# Altium PCB JTAG-批量下载V06.PcbDoc (part 11 of 13) (continued)
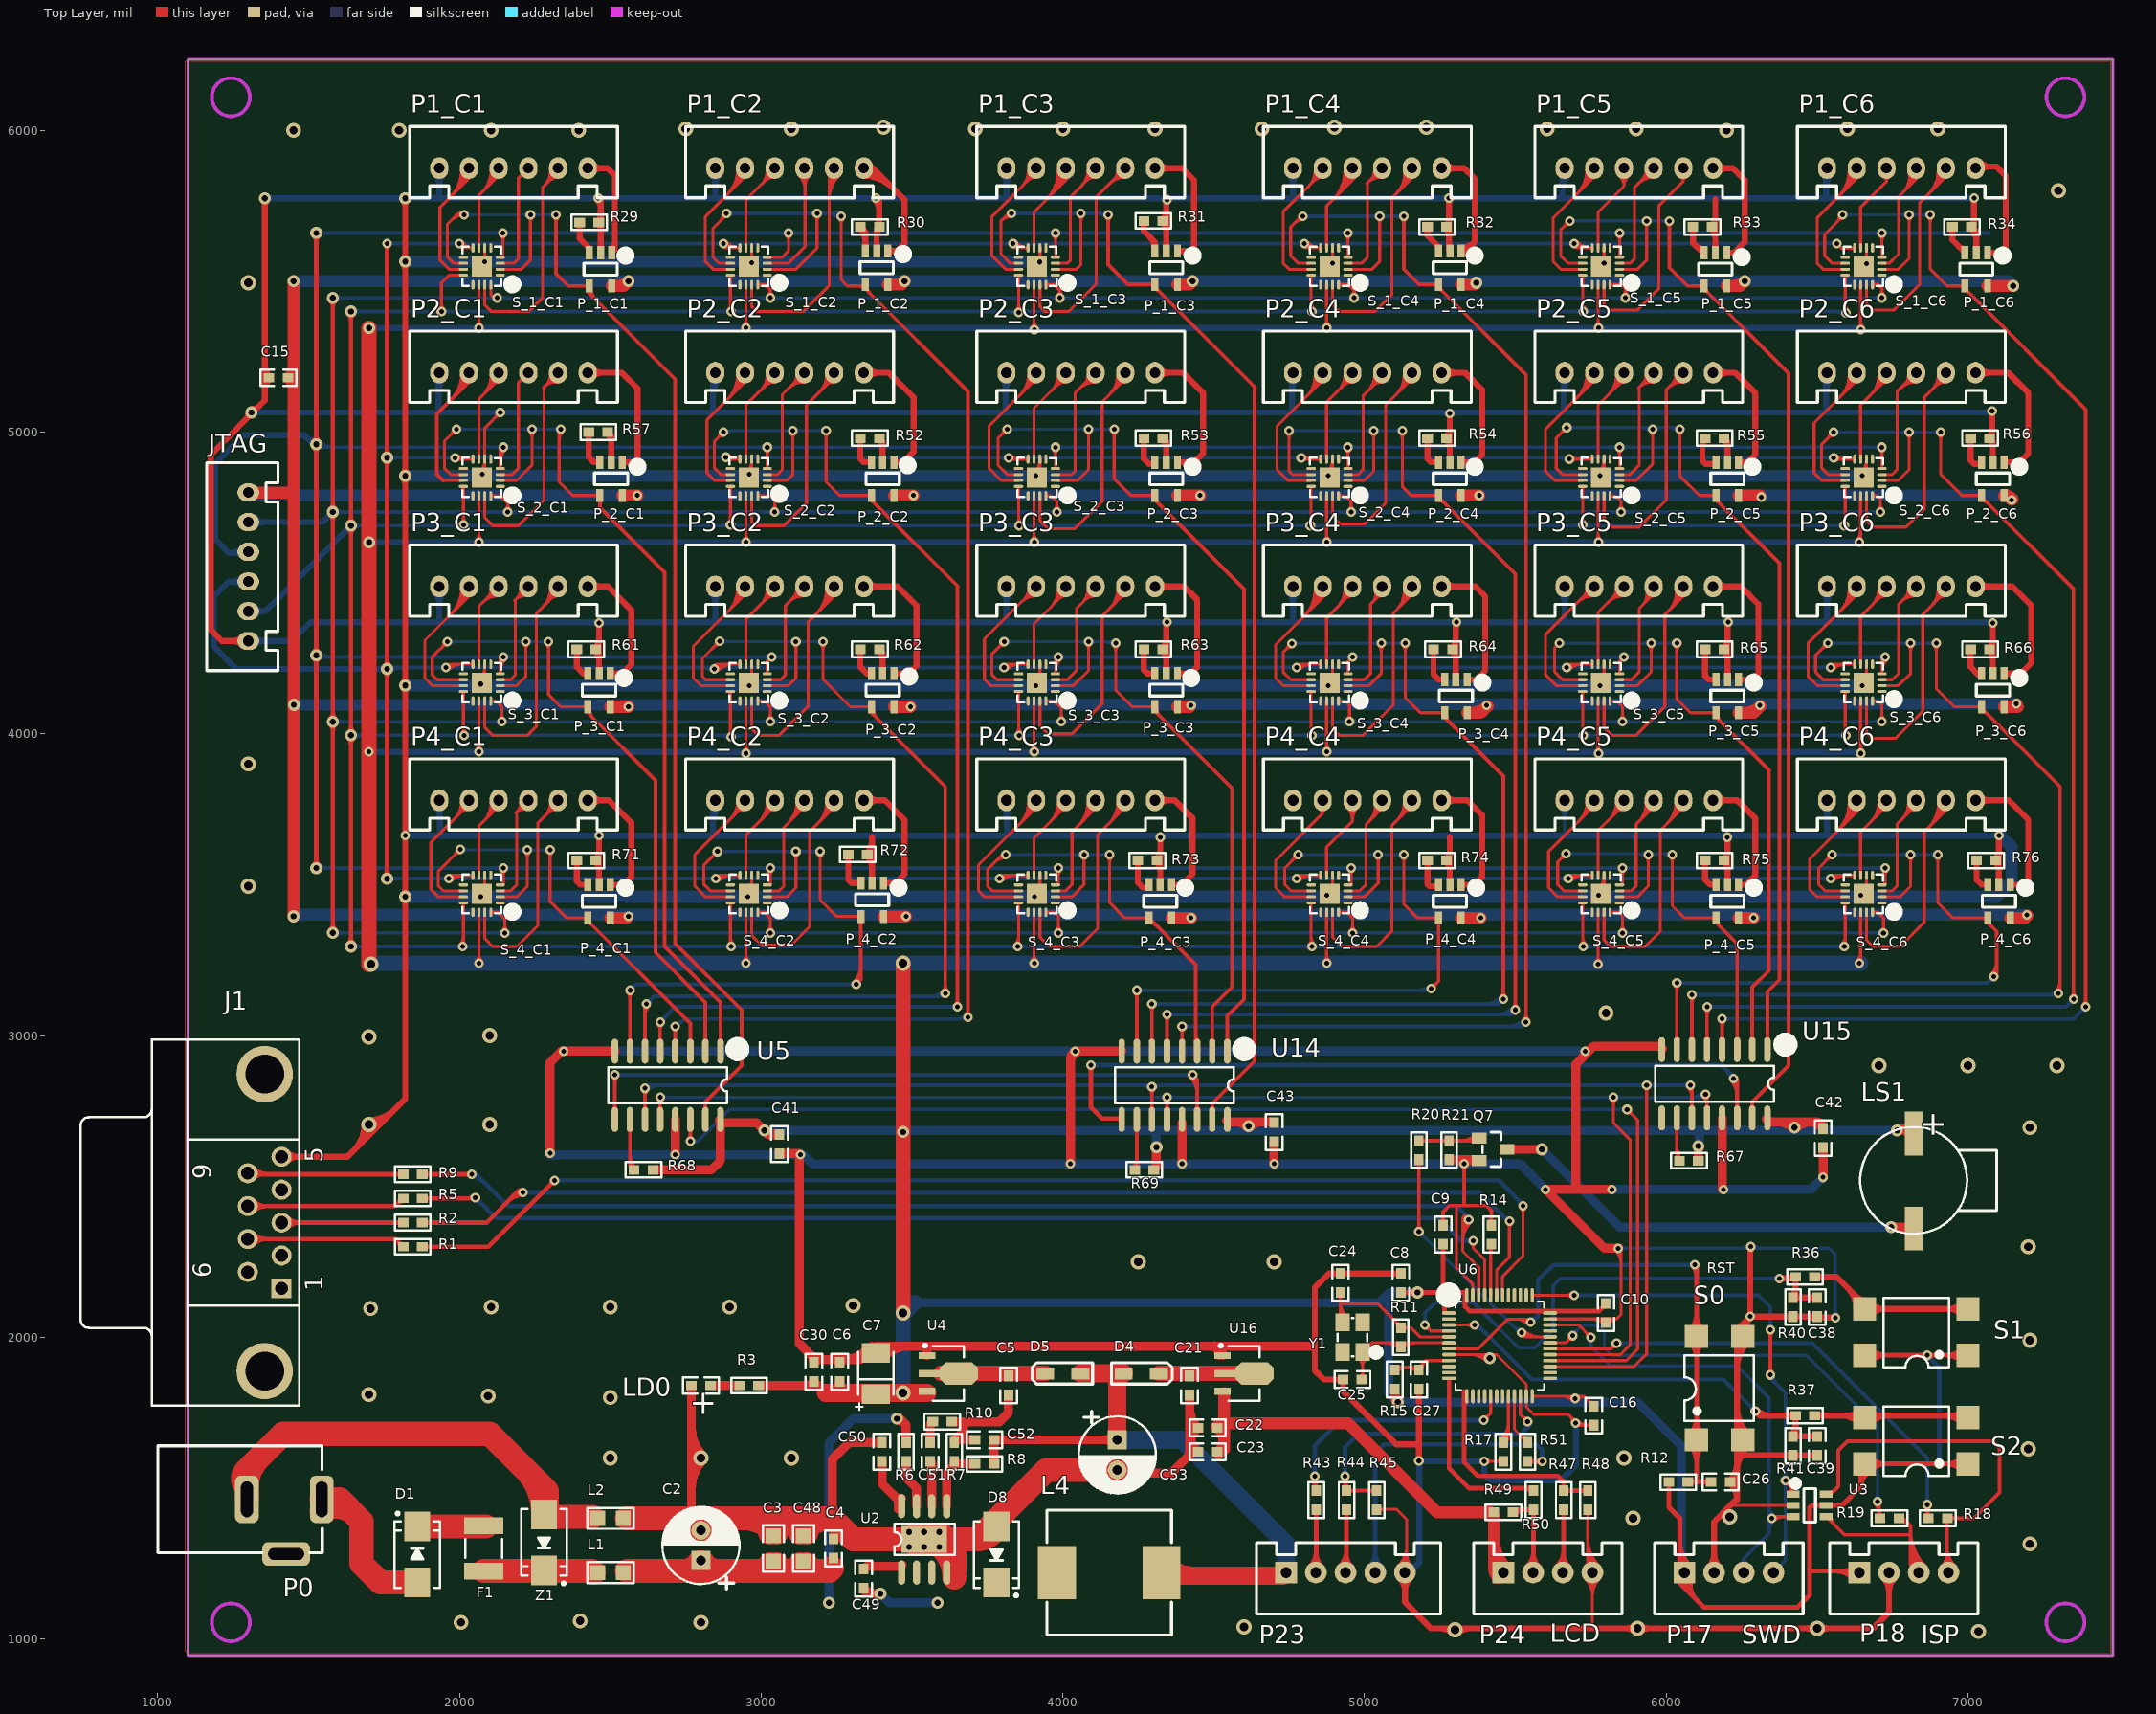
[diagram p0: Top Layer view]
## Nets (pads, with @x,y where several pads share a name; then routed paths per layer and width w, separated by ;. In a path a pad name is that pad's centre, name@x,y a point inside that pad or via, vN(x,y) a via of type N, cw(c..) or ccw(c..) an arc to the next point about the centre after c; other vN are vias at no path point) (continued)
NetR69_2: R69.2 U14.10 | length 316.3
  Top Layer w12: R69.2@4238.5,2555 4245,2561.5 U14.10@4245,2721.81 ; R69.2@4233.58,2561.89 ccw(c4206.01,2589.46) 4245,2589.46 ; R69.2@4233.58,2561.89 ccw(c4206.01,2589.46) 4245,2589.46 ; R69.2@4233.58,2561.89 ccw(c4206.01,2589.46) 4245,2589.46 ; U14.10@4241.59,2687.89 cw(c4233.35,2679.65) 4245,2679.65 ; U14.10@4241.59,2687.89 cw(c4233.35,2679.65) 4245,2679.65 ; U14.10@4241.59,2687.89 cw(c4233.35,2679.65) 4245,2679.65 ; 4245,2679.65 cw(c4256.65,2679.65) U14.10@4248.41,2687.89 ; 4245,2679.65 cw(c4256.65,2679.65) U14.10@4248.41,2687.89 ; 4245,2679.65 cw(c4256.65,2679.65) U14.10@4248.41,2687.89
NRST: C26.1 R12.1 S0.1 S0.2 U6.7 | length 3652.7
  Top Layer w10: U6.7@5280,1961.89 5376.89,1961.89 5475,2060 5540,2060 v1(5550,2050) ; 5499.3,2060 cw(c5499.3,1999.3) v1@5542.22,2042.22 ; 5523.44,2060 cw(c5523.44,2023.44) v1@5549.29,2049.29
  Top Layer w16: R12.1@6071.5,1520 C26.1@6148.5,1520 ; v1(6095,2240) 6100,2235 6100,1520 ; R12.1@6078.94,1514.52 cw(c6092.17,1501.29) 6092.17,1520 ; R12.1@6078.94,1514.52 cw(c6092.17,1501.29) 6092.17,1520 ; R12.1@6078.94,1514.52 cw(c6092.17,1501.29) 6092.17,1520 ; R12.1@6078.94,1525.48 ccw(c6092.17,1538.71) 6092.17,1520 ; R12.1@6078.94,1525.48 ccw(c6092.17,1538.71) 6092.17,1520 ; R12.1@6078.94,1525.48 ccw(c6092.17,1538.71) 6092.17,1520 ; S0.1@6079.21,1639.21 cw(c6029.02,1589.02) 6100,1589.02 ; S0.1@6079.21,1639.21 cw(c6029.02,1589.02) 6100,1589.02 ; S0.1@6079.21,1639.21 cw(c6029.02,1589.02) 6100,1589.02 ; S0.1@6079.21,1680.79 ccw(c6029.02,1730.98) 6100,1730.98 ; S0.1@6079.21,1680.79 ccw(c6029.02,1730.98) 6100,1730.98 ; S0.1@6079.21,1680.79 ccw(c6029.02,1730.98) 6100,1730.98 ; S0.2@6079.21,1981.73 cw(c6029.02,1931.54) 6100,1931.54 ; S0.2@6079.21,1981.73 cw(c6029.02,1931.54) 6100,1931.54 ; S0.2@6079.21,1981.73 cw(c6029.02,1931.54) 6100,1931.54 ; S0.2@6079.21,2023.31 ccw(c6029.02,2073.5) 6100,2073.5 ; S0.2@6079.21,2023.31 ccw(c6029.02,2073.5) 6100,2073.5 ; S0.2@6079.21,2023.31 ccw(c6029.02,2073.5) 6100,2073.5 ; v1@6089.34,2234.34 cw(c6063.62,2208.62) 6100,2208.62 ; v1@6089.34,2234.34 cw(c6063.62,2208.62) 6100,2208.62 ; v1@6089.34,2234.34 cw(c6063.62,2208.62) 6100,2208.62 ; 6100,1589.02 cw(c6170.98,1589.02) S0.1@6120.79,1639.21 ; 6100,1589.02 cw(c6170.98,1589.02) S0.1@6120.79,1639.21 ; 6100,1589.02 cw(c6170.98,1589.02) S0.1@6120.79,1639.21 ; 6100,1730.98 ccw(c6170.98,1730.98) S0.1@6120.79,1680.79 ; 6100,1730.98 ccw(c6170.98,1730.98) S0.1@6120.79,1680.79 ; 6100,1730.98 ccw(c6170.98,1730.98) S0.1@6120.79,1680.79 ; 6100,1931.54 cw(c6170.98,1931.54) S0.2@6120.79,1981.73 ; 6100,1931.54 cw(c6170.98,1931.54) S0.2@6120.79,1981.73 ; 6100,1931.54 cw(c6170.98,1931.54) S0.2@6120.79,1981.73 ; 6100,2073.5 ccw(c6170.98,2073.5) S0.2@6120.79,2023.31 ; 6100,2073.5 ccw(c6170.98,2073.5) S0.2@6120.79,2023.31 ; 6100,2073.5 ccw(c6170.98,2073.5) S0.2@6120.79,2023.31 ; 6127.83,1520 ccw(c6127.83,1538.71) C26.1@6141.06,1525.48 ; 6127.83,1520 cw(c6127.83,1501.29) C26.1@6141.06,1514.52 ; 6127.83,1520 ccw(c6127.83,1538.71) C26.1@6141.06,1525.48 ; 6127.83,1520 cw(c6127.83,1501.29) C26.1@6141.06,1514.52 ; 6127.83,1520 ccw(c6127.83,1538.71) C26.1@6141.06,1525.48 ; 6127.83,1520 cw(c6127.83,1501.29) C26.1@6141.06,1514.52
  Bottom Layer w15: v1(5550,2050) 5555,2050 5575,2070 5575,2190 5625,2240 v1@6090,2240 ; v1@5550,2058.5 ccw(c5550,2091.09) 5573.05,2068.05 ; v1@5550,2058.5 ccw(c5550,2091.09) 5573.05,2068.05 ; v1@5550,2058.5 ccw(c5550,2091.09) 5573.05,2068.05 ; 6074.48,2240 ccw(c6074.48,2260.52) v1@6088.99,2246.01 ; 6074.48,2240 cw(c6074.48,2219.48) v1@6088.99,2233.99 ; 6074.48,2240 ccw(c6074.48,2260.52) v1@6088.99,2246.01 ; 6074.48,2240 cw(c6074.48,2219.48) v1@6088.99,2233.99 ; 6074.48,2240 ccw(c6074.48,2260.52) v1@6088.99,2246.01 ; 6074.48,2240 cw(c6074.48,2219.48) v1@6088.99,2233.99
OSC_IN: C24.1 R11.1 U6.5 Y1.3 | length 1184.9
  Top Layer w10: 4920,2110 5045,2110 R11.1@5121.75,2033.25 ; C24.1@4920,2148.5 4920,2055.75 Y1.3@4926.54,2049.21 ; R11.1@5123.5,2031.5 5153.5,2031.5 5183.74,2001.26 U6.5@5280,2001.26 ; C24.1@4912.4,2138.94 cw(c4894.05,2120.59) 4920,2120.59 ; C24.1@4912.4,2138.94 cw(c4894.05,2120.59) 4920,2120.59 ; C24.1@4912.4,2138.94 cw(c4894.05,2120.59) 4920,2120.59 ; Y1.3@4913.37,2068.29 ccw(c4897.36,2084.3) 4920,2084.3 ; Y1.3@4913.37,2068.29 ccw(c4897.36,2084.3) 4920,2084.3 ; Y1.3@4913.37,2068.29 ccw(c4897.36,2084.3) 4920,2084.3 ; 4920,2091.71 ccw(c4963.13,2091.71) Y1.3@4932.63,2061.21 ; 4920,2091.71 ccw(c4963.13,2091.71) Y1.3@4932.63,2061.21 ; 4920,2091.71 ccw(c4963.13,2091.71) Y1.3@4932.63,2061.21 ; 4920,2115.85 ccw(c4987.27,2115.85) Y1.3@4939.7,2068.29 ; 4920,2115.85 ccw(c4987.27,2115.85) Y1.3@4939.7,2068.29 ; 4920,2115.85 ccw(c4987.27,2115.85) Y1.3@4939.7,2068.29 ; 4920,2120.59 cw(c4945.95,2120.59) C24.1@4927.6,2138.94 ; 4920,2120.59 cw(c4945.95,2120.59) C24.1@4927.6,2138.94 ; 4920,2120.59 cw(c4945.95,2120.59) C24.1@4927.6,2138.94 ; 5100.57,2054.43 cw(c5079.6,2033.46) R11.1@5109.25,2033.46 ; 5100.57,2054.43 cw(c5079.6,2033.46) R11.1@5109.25,2033.46 ; 5100.57,2054.43 cw(c5079.6,2033.46) R11.1@5109.25,2033.46 ; 5104.27,2050.73 ccw(c5120,2066.45) R11.1@5120,2044.21 ; 5104.27,2050.73 ccw(c5120,2066.45) R11.1@5120,2044.21 ; 5104.27,2050.73 ccw(c5120,2066.45) R11.1@5120,2044.21 ; R11.1@5127.6,2023.9 cw(c5145.95,2005.55) 5145.95,2031.5 ; R11.1@5127.6,2023.9 cw(c5145.95,2005.55) 5145.95,2031.5 ; R11.1@5127.6,2023.9 cw(c5145.95,2005.55) 5145.95,2031.5 ; R11.1@5127.6,2039.1 ccw(c5145.95,2057.44) 5145.95,2031.5 ; R11.1@5127.6,2039.1 ccw(c5145.95,2057.44) 5145.95,2031.5 ; R11.1@5127.6,2039.1 ccw(c5145.95,2057.44) 5145.95,2031.5
OSC_OUT: C25.1 R11.2 U6.6 Y1.1 | length 1207
  Top Layer w10: C25.1@4991.5,1860 4993.46,1861.97 Y1.1@4993.46,1950.79 5024.25,1981.57 ; R11.2@5120.53,1969.94 cw(c5148.61,1941.86) 5148.61,1981.57 ; R11.2@5127.6,1962.87 cw(c5172.75,1917.72) 5172.75,1981.57 ; U6.6@5280,1981.57 5024.25,1981.57 ; Y1.1@4980.3,1931.71 cw(c4948.51,1899.92) 4993.46,1899.92 ; Y1.1@4980.3,1931.71 cw(c4948.51,1899.92) 4993.46,1899.92 ; Y1.1@4980.3,1931.71 cw(c4948.51,1899.92) 4993.46,1899.92 ; C25.1@4985.86,1867.6 ccw(c4967.52,1885.95) 4993.46,1885.95 ; C25.1@4985.86,1867.6 ccw(c4967.52,1885.95) 4993.46,1885.95 ; C25.1@4985.86,1867.6 ccw(c4967.52,1885.95) 4993.46,1885.95 ; 4993.46,1885.95 ccw(c5019.41,1885.95) C25.1@5001.06,1867.6 ; 4993.46,1885.95 ccw(c5019.41,1885.95) C25.1@5001.06,1867.6 ; 4993.46,1885.95 ccw(c5019.41,1885.95) C25.1@5001.06,1867.6 ; 4993.46,1899.92 cw(c5038.42,1899.92) Y1.1@5006.63,1931.71 ; 4993.46,1899.92 cw(c5038.42,1899.92) Y1.1@5006.63,1931.71 ; 4993.46,1899.92 cw(c5038.42,1899.92) Y1.1@5006.63,1931.71 ; Y1.1@4998.33,1974.67 ccw(c5005.33,2000.49) 5024.25,1981.57 ; Y1.1@4998.33,1974.67 ccw(c5005.33,2000.49) 5024.25,1981.57 ; Y1.1@4998.33,1974.67 ccw(c5005.33,2000.49) 5024.25,1981.57 ; Y1.1@5012.09,1956.69 cw(c5042.79,1956.69) 5021.08,1978.4 ; Y1.1@5012.09,1956.69 cw(c5042.79,1956.69) 5021.08,1978.4 ; Y1.1@5012.09,1956.69 cw(c5042.79,1956.69) 5021.08,1978.4 ; 5067.25,1981.57 cw(c5067.25,1917.72) R11.2@5112.4,1962.87 ; 5067.25,1981.57 cw(c5067.25,1917.72) R11.2@5112.4,1962.87 ; 5067.25,1981.57 cw(c5067.25,1917.72) R11.2@5112.4,1962.87 ; 5091.39,1981.57 cw(c5091.39,1941.86) R11.2@5119.47,1969.94 ; 5091.39,1981.57 cw(c5091.39,1941.86) R11.2@5119.47,1969.94 ; 5091.39,1981.57 cw(c5091.39,1941.86) R11.2@5119.47,1969.94
PRT_DTR: R43.2 U6.17 | length 1331.4
  Top Layer w10: v1(5395,1725) 5417.8,1747.8 U6.17@5417.8,1804.41 ; v1@5395,1736 ccw(c5395,1762.56) 5413.78,1743.78 ; v1@5395,1736 ccw(c5395,1762.56) 5413.78,1743.78 ; v1@5395,1736 ccw(c5395,1762.56) 5413.78,1743.78 ; v1@5406,1725 cw(c5432.56,1725) 5413.78,1743.78 ; v1@5406,1725 cw(c5432.56,1725) 5413.78,1743.78 ; v1@5406,1725 cw(c5432.56,1725) 5413.78,1743.78
  Top Layer w15: R43.2@4835,1495 v1(4835,1540) ; v1@4828.99,1533.99 cw(c4814.48,1519.48) 4835,1519.48 ; v1@4828.99,1533.99 cw(c4814.48,1519.48) 4835,1519.48 ; v1@4828.99,1533.99 cw(c4814.48,1519.48) 4835,1519.48 ; 4835,1519.48 cw(c4855.52,1519.48) v1@4841.01,1533.99 ; 4835,1519.48 cw(c4855.52,1519.48) v1@4841.01,1533.99 ; 4835,1519.48 cw(c4855.52,1519.48) v1@4841.01,1533.99 ; v1@4835,1525.45 ccw(c4871.98,1525.45) R43.2@4845.83,1499.3 ; v1@4835,1525.45 ccw(c4871.98,1525.45) R43.2@4845.83,1499.3 ; v1@4835,1525.45 ccw(c4871.98,1525.45) R43.2@4845.83,1499.3
  Bottom Layer w15: v1(4835,1540) 4835,1640 4920,1725 v1(5395,1725) ; v1@4828.99,1546.01 ccw(c4814.48,1560.52) 4835,1560.52 ; v1@4828.99,1546.01 ccw(c4814.48,1560.52) 4835,1560.52 ; v1@4828.99,1546.01 ccw(c4814.48,1560.52) 4835,1560.52 ; 4835,1560.52 ccw(c4855.52,1560.52) v1@4841.01,1546.01 ; 4835,1560.52 ccw(c4855.52,1560.52) v1@4841.01,1546.01 ; 4835,1560.52 ccw(c4855.52,1560.52) v1@4841.01,1546.01 ; 5374.48,1725 ccw(c5374.48,1745.52) v1@5388.99,1731.01 ; 5374.48,1725 cw(c5374.48,1704.48) v1@5388.99,1718.99 ; 5374.48,1725 ccw(c5374.48,1745.52) v1@5388.99,1731.01 ; 5374.48,1725 cw(c5374.48,1704.48) v1@5388.99,1718.99 ; 5374.48,1725 ccw(c5374.48,1745.52) v1@5388.99,1731.01 ; 5374.48,1725 cw(c5374.48,1704.48) v1@5388.99,1718.99
PRT_RXD: P23.4 R51.1 | length 1558.4
  Top Layer w15: R51.1@5540,1588.5 v1(5588.5,1588.5) ; R51.1@5545.83,1582.67 cw(c5559.91,1568.59) 5559.91,1588.5 ; R51.1@5545.83,1582.67 cw(c5559.91,1568.59) 5559.91,1588.5 ; R51.1@5545.83,1582.67 cw(c5559.91,1568.59) 5559.91,1588.5 ; R51.1@5545.83,1594.34 ccw(c5559.91,1608.42) 5559.91,1588.5 ; R51.1@5545.83,1594.34 ccw(c5559.91,1608.42) 5559.91,1588.5 ; R51.1@5545.83,1594.34 ccw(c5559.91,1608.42) 5559.91,1588.5 ; 5567.98,1588.5 ccw(c5567.98,1609.02) v1@5582.49,1594.51 ; 5567.98,1588.5 cw(c5567.98,1567.98) v1@5582.49,1582.49 ; 5567.98,1588.5 ccw(c5567.98,1609.02) v1@5582.49,1594.51 ; 5567.98,1588.5 cw(c5567.98,1567.98) v1@5582.49,1582.49 ; 5567.98,1588.5 ccw(c5567.98,1609.02) v1@5582.49,1594.51 ; 5567.98,1588.5 cw(c5567.98,1567.98) v1@5582.49,1582.49
  Bottom Layer w15: P23.4@5035.28,1220 5035.28,1615.28 5065,1645 5570,1645 5588.5,1626.5 v1(5588.5,1588.5) ; 5035.28,1288.81 ccw(c5104.08,1288.81) 5055.43,1240.15 cw(c5104.08,1288.81) 5035.28,1288.81 ; 5035.28,1288.81 cw(c4966.47,1288.81) 5015.12,1240.15 ccw(c4966.47,1288.81) 5035.28,1288.81 ; v1@5582.49,1594.51 ccw(c5567.98,1609.02) 5588.5,1609.02 ; v1@5582.49,1594.51 ccw(c5567.98,1609.02) 5588.5,1609.02 ; v1@5582.49,1594.51 ccw(c5567.98,1609.02) 5588.5,1609.02 ; 5588.5,1609.02 ccw(c5609.02,1609.02) v1@5594.51,1594.51 ; 5588.5,1609.02 ccw(c5609.02,1609.02) v1@5594.51,1594.51 ; 5588.5,1609.02 ccw(c5609.02,1609.02) v1@5594.51,1594.51
PRT_TXD: P23.3 R44.1 | length 730
  Top Layer w15: P23.3@4936.85,1220 4940,1223.15 R44.1@4940,1428.5 ; P23.3@4916.7,1240.15 ccw(c4860.44,1296.41) 4940,1296.41 ; P23.3@4916.7,1240.15 ccw(c4860.44,1296.41) 4940,1296.41 ; P23.3@4916.7,1240.15 ccw(c4860.44,1296.41) 4940,1296.41 ; P23.3@4927.3,1229.55 ccw(c4896.65,1260.2) 4940,1260.2 ; P23.3@4927.3,1229.55 ccw(c4896.65,1260.2) 4940,1260.2 ; P23.3@4927.3,1229.55 ccw(c4896.65,1260.2) 4940,1260.2 ; R44.1@4934.17,1420.7 cw(c4920.09,1406.62) 4940,1406.62 ; R44.1@4934.17,1420.7 cw(c4920.09,1406.62) 4940,1406.62 ; R44.1@4934.17,1420.7 cw(c4920.09,1406.62) 4940,1406.62 ; 4940,1281.2 ccw(c4998.05,1281.2) P23.3@4957,1240.15 ; 4940,1281.2 ccw(c4998.05,1281.2) P23.3@4957,1240.15 ; 4940,1281.2 ccw(c4998.05,1281.2) P23.3@4957,1240.15 ; 4940,1406.62 cw(c4959.91,1406.62) R44.1@4945.83,1420.7 ; 4940,1406.62 cw(c4959.91,1406.62) R44.1@4945.83,1420.7 ; 4940,1406.62 cw(c4959.91,1406.62) R44.1@4945.83,1420.7
PW_1_C1: P1_C1.1 P_1_C1.1 | length 617.3
  Top Layer w20: P1_C1.1@2425,5875 2490,5875 2515,5850 2515,5605 P_1_C1.1@2505,5595 ; P_1_C1.1@2503.72,5606.12 ccw(c2476.49,5633.36) 2515,5633.36 ; P1_C1.1@2439.14,5860.86 cw(c2473.28,5826.72) 2473.28,5875 ; P1_C1.1@2439.14,5860.86 cw(c2473.28,5826.72) 2473.28,5875 ; P1_C1.1@2439.14,5860.86 cw(c2473.28,5826.72) 2473.28,5875 ; P1_C1.1@2439.14,5889.14 ccw(c2473.28,5923.28) 2473.28,5875 ; P1_C1.1@2439.14,5889.14 ccw(c2473.28,5923.28) 2473.28,5875 ; P1_C1.1@2439.14,5889.14 ccw(c2473.28,5923.28) 2473.28,5875
PW_1_C2: P1_C2.1 P_1_C2.1 | length 912.2
  Top Layer w20: P1_C2.1@3340,5875 3370,5875 3475,5770 3475,5625 3450,5600 P_1_C2.1@3420,5600 ; P1_C2.1@3340,5849 cw(c3340,5713.8) 3435.6,5809.4 ; P1_C2.1@3340,5849 cw(c3340,5713.8) 3435.6,5809.4 ; P1_C2.1@3340,5849 cw(c3340,5713.8) 3435.6,5809.4 ; P1_C2.1@3340,5869 cw(c3340,5782.09) 3401.46,5843.54 ; P1_C2.1@3340,5869 cw(c3340,5782.09) 3401.46,5843.54 ; P1_C2.1@3340,5869 cw(c3340,5782.09) 3401.46,5843.54
PW_1_C3: P1_C3.1 P_1_C3.1 | length 661.2
  Top Layer w20: P1_C3.1@4305,5875 4395,5875 4435,5835 4435,5605 4430,5600 P_1_C3.1@4380,5600 ; P1_C3.1@4319.14,5860.86 cw(c4353.28,5826.72) 4353.28,5875 ; P1_C3.1@4319.14,5860.86 cw(c4353.28,5826.72) 4353.28,5875 ; P1_C3.1@4319.14,5860.86 cw(c4353.28,5826.72) 4353.28,5875 ; P1_C3.1@4319.14,5889.14 ccw(c4353.28,5923.28) 4353.28,5875 ; P1_C3.1@4319.14,5889.14 ccw(c4353.28,5923.28) 4353.28,5875 ; P1_C3.1@4319.14,5889.14 ccw(c4353.28,5923.28) 4353.28,5875
PW_1_C4: P1_C4.1 P_1_C4.1 | length 807.6
  Top Layer w20: P1_C4.1@5255,5875 5330,5875 5365,5840 5365,5630 ; P_1_C4.1@5320,5600 5335,5600 5365,5630 ; P1_C4.1@5269.14,5860.86 cw(c5303.28,5826.72) 5303.28,5875 ; P1_C4.1@5269.14,5860.86 cw(c5303.28,5826.72) 5303.28,5875 ; P1_C4.1@5269.14,5860.86 cw(c5303.28,5826.72) 5303.28,5875 ; P1_C4.1@5269.14,5889.14 ccw(c5303.28,5923.28) 5303.28,5875 ; P1_C4.1@5269.14,5889.14 ccw(c5303.28,5923.28) 5303.28,5875 ; P1_C4.1@5269.14,5889.14 ccw(c5303.28,5923.28) 5303.28,5875 ; P_1_C4.1@5319.8,5591.65 ccw(c5319.98,5607.77) P_1_C4.1@5331.37,5596.37 ; P_1_C4.1@5319.8,5591.65 ccw(c5319.98,5607.77) P_1_C4.1@5331.37,5596.37 ; P_1_C4.1@5319.8,5591.65 ccw(c5319.98,5607.77) P_1_C4.1@5331.37,5596.37 ; P_1_C4.1@5320.02,5611.65 ccw(c5320.7,5674.3) 5365,5630 ; P_1_C4.1@5320.02,5611.65 ccw(c5320.7,5674.3) 5365,5630 ; P_1_C4.1@5320.02,5611.65 ccw(c5320.7,5674.3) 5365,5630
PW_1_C5: P1_C5.1 P_1_C5.1 | length 628.6
  Top Layer w20: P1_C5.1@6155,5875 6220,5875 6260,5835 6260,5630 6225,5595 P_1_C5.1@6200,5595 ; P1_C5.1@6169.14,5860.86 cw(c6203.28,5826.72) 6203.28,5875 ; P1_C5.1@6169.14,5860.86 cw(c6203.28,5826.72) 6203.28,5875 ; P1_C5.1@6169.14,5860.86 cw(c6203.28,5826.72) 6203.28,5875 ; P1_C5.1@6169.14,5889.14 ccw(c6203.28,5923.28) 6203.28,5875 ; P1_C5.1@6169.14,5889.14 ccw(c6203.28,5923.28) 6203.28,5875 ; P1_C5.1@6169.14,5889.14 ccw(c6203.28,5923.28) 6203.28,5875
PW_1_C6: P1_C6.1 P_1_C6.1 | length 638.2
  Top Layer w20: P1_C6.1@7030,5880 7095,5880 7125,5850 7125,5615 7105,5595 P_1_C6.1@7065,5595 ; P1_C6.1@7039.14,5866.86 cw(c7070.87,5835.13) 7070.87,5880 ; P1_C6.1@7039.14,5866.86 cw(c7070.87,5835.13) 7070.87,5880 ; P1_C6.1@7039.14,5866.86 cw(c7070.87,5835.13) 7070.87,5880 ; P1_C6.1@7039.14,5895.14 ccw(c7075.7,5931.7) 7075.7,5880 ; P1_C6.1@7039.14,5895.14 ccw(c7075.7,5931.7) 7075.7,5880 ; P1_C6.1@7039.14,5895.14 ccw(c7075.7,5931.7) 7075.7,5880
PW_2_C1: P2_C1.1 P_2_C1.1 | length 703.2
  Top Layer w20: P2_C1.1@2425,5196.85 2538.15,5196.85 2590,5145 2590,4910 2580,4900 P_2_C1.1@2540,4900 ; P2_C1.1@2439.14,5182.71 cw(c2473.28,5148.57) 2473.28,5196.85 ; P2_C1.1@2439.14,5182.71 cw(c2473.28,5148.57) 2473.28,5196.85 ; P2_C1.1@2439.14,5182.71 cw(c2473.28,5148.57) 2473.28,5196.85 ; P2_C1.1@2439.14,5210.99 ccw(c2473.28,5245.13) 2473.28,5196.85 ; P2_C1.1@2439.14,5210.99 ccw(c2473.28,5245.13) 2473.28,5196.85 ; P2_C1.1@2439.14,5210.99 ccw(c2473.28,5245.13) 2473.28,5196.85
PW_2_C2: P2_C2.1 P_2_C2.1 | length 685.9
  Top Layer w20: P2_C2.1@3340,5196.85 3423.15,5196.85 3505,5115 3505,4935 3470,4900 P_2_C2.1@3440,4900 ; P2_C2.1@3354.14,5182.71 cw(c3388.28,5148.57) 3388.28,5196.85 ; P2_C2.1@3354.14,5182.71 cw(c3388.28,5148.57) 3388.28,5196.85 ; P2_C2.1@3354.14,5182.71 cw(c3388.28,5148.57) 3388.28,5196.85 ; P2_C2.1@3354.14,5210.99 ccw(c3388.28,5245.13) 3388.28,5196.85 ; P2_C2.1@3354.14,5210.99 ccw(c3388.28,5245.13) 3388.28,5196.85 ; P2_C2.1@3354.14,5210.99 ccw(c3388.28,5245.13) 3388.28,5196.85
PW_2_C3: P2_C3.1 P_2_C3.1 | length 710
  Top Layer w20: P2_C3.1@4305,5196.85 4398.15,5196.85 ; P_2_C3.1@4380,4900 4435,4900 4465,4930 4465,5130 4400,5195 ; P2_C3.1@4319.14,5182.71 cw(c4353.28,5148.57) 4353.28,5196.85 ; P2_C3.1@4319.14,5182.71 cw(c4353.28,5148.57) 4353.28,5196.85 ; P2_C3.1@4319.14,5182.71 cw(c4353.28,5148.57) 4353.28,5196.85 ; P2_C3.1@4319.14,5210.99 ccw(c4353.28,5245.13) 4353.28,5196.85 ; P2_C3.1@4319.14,5210.99 ccw(c4353.28,5245.13) 4353.28,5196.85 ; P2_C3.1@4319.14,5210.99 ccw(c4353.28,5245.13) 4353.28,5196.85
PW_2_C4: P2_C4.1 P_2_C4.1 | length 681.4
  Top Layer w20: P2_C4.1@5255,5196.85 5333.15,5196.85 5390,5140 5390,4925 5365,4900 P_2_C4.1@5320,4900 ; P2_C4.1@5269.14,5182.71 cw(c5303.28,5148.57) 5303.28,5196.85 ; P2_C4.1@5269.14,5182.71 cw(c5303.28,5148.57) 5303.28,5196.85 ; P2_C4.1@5269.14,5182.71 cw(c5303.28,5148.57) 5303.28,5196.85 ; P2_C4.1@5269.14,5210.99 ccw(c5303.28,5245.13) 5303.28,5196.85 ; P2_C4.1@5269.14,5210.99 ccw(c5303.28,5245.13) 5303.28,5196.85 ; P2_C4.1@5269.14,5210.99 ccw(c5303.28,5245.13) 5303.28,5196.85
PW_2_C5: P2_C5.1 P_2_C5.1 | length 665.6
  Top Layer w20: P2_C5.1@6155,5196.85 6228.15,5196.85 6295,5130 6295,4925 6270,4900 P_2_C5.1@6240,4900 ; P2_C5.1@6169.14,5182.71 cw(c6203.28,5148.57) 6203.28,5196.85 ; P2_C5.1@6169.14,5182.71 cw(c6203.28,5148.57) 6203.28,5196.85 ; P2_C5.1@6169.14,5182.71 cw(c6203.28,5148.57) 6203.28,5196.85 ; P2_C5.1@6169.14,5210.99 ccw(c6203.28,5245.13) 6203.28,5196.85 ; P2_C5.1@6169.14,5210.99 ccw(c6203.28,5245.13) 6203.28,5196.85 ; P2_C5.1@6169.14,5210.99 ccw(c6203.28,5245.13) 6203.28,5196.85
PW_2_C6: P2_C6.1 P_2_C6.1 | length 722.7
  Top Layer w20: P2_C6.1@7025,5196.85 7133.15,5196.85 7200,5130 7200,4930 7170,4900 P_2_C6.1@7120,4900 ; P2_C6.1@7039.14,5182.71 cw(c7073.28,5148.57) 7073.28,5196.85 ; P2_C6.1@7039.14,5182.71 cw(c7073.28,5148.57) 7073.28,5196.85 ; P2_C6.1@7039.14,5182.71 cw(c7073.28,5148.57) 7073.28,5196.85 ; P2_C6.1@7039.14,5210.99 ccw(c7073.28,5245.13) 7073.28,5196.85 ; P2_C6.1@7039.14,5210.99 ccw(c7073.28,5245.13) 7073.28,5196.85 ; P2_C6.1@7039.14,5210.99 ccw(c7073.28,5245.13) 7073.28,5196.85
PW_3_C1: P3_C1.1 P_3_C1.1 | length 667.3
  Top Layer w20: P3_C1.1@2425,4488.19 2491.81,4488.19 2570,4410 2570,4230 2540,4200 P_3_C1.1@2500,4200 ; P3_C1.1@2439.14,4474.05 cw(c2473.28,4439.9) 2473.28,4488.19 ; P3_C1.1@2439.14,4474.05 cw(c2473.28,4439.9) 2473.28,4488.19 ; P3_C1.1@2439.14,4474.05 cw(c2473.28,4439.9) 2473.28,4488.19 ; P3_C1.1@2439.14,4502.33 ccw(c2473.28,4536.47) 2473.28,4488.19 ; P3_C1.1@2439.14,4502.33 ccw(c2473.28,4536.47) 2473.28,4488.19 ; P3_C1.1@2439.14,4502.33 ccw(c2473.28,4536.47) 2473.28,4488.19
PW_3_C2: P3_C2.1 P_3_C2.1 | length 714.1
  Top Layer w20: P3_C2.1@3340,4488.19 3451.81,4488.19 3515,4425 3515,4225 3490,4200 P_3_C2.1@3440,4200 ; P3_C2.1@3354.14,4474.05 cw(c3388.28,4439.9) 3388.28,4488.19 ; P3_C2.1@3354.14,4474.05 cw(c3388.28,4439.9) 3388.28,4488.19 ; P3_C2.1@3354.14,4474.05 cw(c3388.28,4439.9) 3388.28,4488.19 ; P3_C2.1@3354.14,4502.33 ccw(c3388.28,4536.47) 3388.28,4488.19 ; P3_C2.1@3354.14,4502.33 ccw(c3388.28,4536.47) 3388.28,4488.19 ; P3_C2.1@3354.14,4502.33 ccw(c3388.28,4536.47) 3388.28,4488.19
PW_3_C3: P3_C3.1 P_3_C3.1 | length 683.7
  Top Layer w20: P3_C3.1@4305,4488.19 4401.81,4488.19 4445,4445 4445,4220 4425,4200 P_3_C3.1@4380,4200 ; P3_C3.1@4319.14,4474.05 cw(c4353.28,4439.9) 4353.28,4488.19 ; P3_C3.1@4319.14,4474.05 cw(c4353.28,4439.9) 4353.28,4488.19 ; P3_C3.1@4319.14,4474.05 cw(c4353.28,4439.9) 4353.28,4488.19 ; P3_C3.1@4319.14,4502.33 ccw(c4353.28,4536.47) 4353.28,4488.19 ; P3_C3.1@4319.14,4502.33 ccw(c4353.28,4536.47) 4353.28,4488.19 ; P3_C3.1@4319.14,4502.33 ccw(c4353.28,4536.47) 4353.28,4488.19
PW_3_C4: P3_C4.1 P_3_C4.1 | length 703.7
  Top Layer w20: P3_C4.1@5255,4488.19 5366.81,4488.19 5400,4455 5400,4210 5370,4180 P_3_C4.1@5340,4180 ; P3_C4.1@5269.14,4474.05 cw(c5303.28,4439.9) 5303.28,4488.19 ; P3_C4.1@5269.14,4474.05 cw(c5303.28,4439.9) 5303.28,4488.19 ; P3_C4.1@5269.14,4474.05 cw(c5303.28,4439.9) 5303.28,4488.19 ; P3_C4.1@5269.14,4502.33 ccw(c5303.28,4536.47) 5303.28,4488.19 ; P3_C4.1@5269.14,4502.33 ccw(c5303.28,4536.47) 5303.28,4488.19 ; P3_C4.1@5269.14,4502.33 ccw(c5303.28,4536.47) 5303.28,4488.19
PW_3_C5: P3_C5.1 P_3_C5.1 | length 704.9
  Top Layer w20: P3_C5.1@6155,4488.19 6246.81,4488.19 6305,4430 6305,4200 6285,4180 P_3_C5.1@6240,4180 ; P3_C5.1@6169.14,4474.05 cw(c6203.28,4439.9) 6203.28,4488.19 ; P3_C5.1@6169.14,4474.05 cw(c6203.28,4439.9) 6203.28,4488.19 ; P3_C5.1@6169.14,4474.05 cw(c6203.28,4439.9) 6203.28,4488.19 ; P3_C5.1@6169.14,4502.33 ccw(c6203.28,4536.47) 6203.28,4488.19 ; P3_C5.1@6169.14,4502.33 ccw(c6203.28,4536.47) 6203.28,4488.19 ; P3_C5.1@6169.14,4502.33 ccw(c6203.28,4536.47) 6203.28,4488.19
PW_3_C6: P3_C6.1 P_3_C6.1 | length 733.2
  Top Layer w20: P3_C6.1@7025,4488.19 7146.81,4488.19 7210,4425 7210,4235 7175,4200 P_3_C6.1@7120,4200 ; P3_C6.1@7039.14,4474.05 cw(c7073.28,4439.9) 7073.28,4488.19 ; P3_C6.1@7039.14,4474.05 cw(c7073.28,4439.9) 7073.28,4488.19 ; P3_C6.1@7039.14,4474.05 cw(c7073.28,4439.9) 7073.28,4488.19 ; P3_C6.1@7039.14,4502.33 ccw(c7073.28,4536.47) 7073.28,4488.19 ; P3_C6.1@7039.14,4502.33 ccw(c7073.28,4536.47) 7073.28,4488.19 ; P3_C6.1@7039.14,4502.33 ccw(c7073.28,4536.47) 7073.28,4488.19
PW_4_C1: P4_C1.1 P_4_C1.1 | length 663.8
  Top Layer w20: P4_C1.1@2425,3779.53 2495.47,3779.53 2570,3705 2570,3525 2545,3500 P_4_C1.1@2500,3500 ; P4_C1.1@2439.14,3765.39 cw(c2473.28,3731.24) 2473.28,3779.53 ; P4_C1.1@2439.14,3765.39 cw(c2473.28,3731.24) 2473.28,3779.53 ; P4_C1.1@2439.14,3765.39 cw(c2473.28,3731.24) 2473.28,3779.53 ; P4_C1.1@2439.14,3793.67 ccw(c2473.28,3827.81) 2473.28,3779.53 ; P4_C1.1@2439.14,3793.67 ccw(c2473.28,3827.81) 2473.28,3779.53 ; P4_C1.1@2439.14,3793.67 ccw(c2473.28,3827.81) 2473.28,3779.53
PW_4_C2: P4_C2.1 P_4_C2.1 | length 651.7
  Top Layer w20: P4_C2.1@3340,3779.53 3410.47,3779.53 3475,3715 3475,3535 3445,3505 P_4_C2.1@3405,3505 ; P4_C2.1@3354.14,3765.39 cw(c3388.28,3731.24) 3388.28,3779.53 ; P4_C2.1@3354.14,3765.39 cw(c3388.28,3731.24) 3388.28,3779.53 ; P4_C2.1@3354.14,3765.39 cw(c3388.28,3731.24) 3388.28,3779.53 ; P4_C2.1@3354.14,3793.67 ccw(c3388.28,3827.81) 3388.28,3779.53 ; P4_C2.1@3354.14,3793.67 ccw(c3388.28,3827.81) 3388.28,3779.53 ; P4_C2.1@3354.14,3793.67 ccw(c3388.28,3827.81) 3388.28,3779.53
PW_4_C3: P4_C3.1 P_4_C3.1 | length 646.7
  Top Layer w20: P4_C3.1@4305,3779.53 4370.47,3779.53 4430,3720 4430,3535 4395,3500 P_4_C3.1@4360,3500 ; P4_C3.1@4319.14,3765.39 cw(c4353.28,3731.24) 4353.28,3779.53 ; P4_C3.1@4319.14,3765.39 cw(c4353.28,3731.24) 4353.28,3779.53 ; P4_C3.1@4319.14,3765.39 cw(c4353.28,3731.24) 4353.28,3779.53 ; P4_C3.1@4319.14,3793.67 ccw(c4353.28,3827.81) 4353.28,3779.53 ; P4_C3.1@4319.14,3793.67 ccw(c4353.28,3827.81) 4353.28,3779.53 ; P4_C3.1@4319.14,3793.67 ccw(c4353.28,3827.81) 4353.28,3779.53
PW_4_C4: P4_C4.1 P_4_C4.1 | length 668.4
  Top Layer w20: P4_C4.1@5255,3779.53 5340.47,3779.53 5390,3730 5390,3525 5365,3500 P_4_C4.1@5320,3500 ; P4_C4.1@5269.14,3765.39 cw(c5303.28,3731.24) 5303.28,3779.53 ; P4_C4.1@5269.14,3765.39 cw(c5303.28,3731.24) 5303.28,3779.53 ; P4_C4.1@5269.14,3765.39 cw(c5303.28,3731.24) 5303.28,3779.53 ; P4_C4.1@5269.14,3793.67 ccw(c5303.28,3827.81) 5303.28,3779.53 ; P4_C4.1@5269.14,3793.67 ccw(c5303.28,3827.81) 5303.28,3779.53 ; P4_C4.1@5269.14,3793.67 ccw(c5303.28,3827.81) 5303.28,3779.53
PW_4_C5: P4_C5.1 P_4_C5.1 | length 649.6
  Top Layer w20: P4_C5.1@6155,3779.53 6235.47,3779.53 6295,3720 6295,3530 6265,3500 P_4_C5.1@6240,3500 ; P4_C5.1@6169.14,3765.39 cw(c6203.28,3731.24) 6203.28,3779.53 ; P4_C5.1@6169.14,3765.39 cw(c6203.28,3731.24) 6203.28,3779.53 ; P4_C5.1@6169.14,3765.39 cw(c6203.28,3731.24) 6203.28,3779.53 ; P4_C5.1@6169.14,3793.67 ccw(c6203.28,3827.81) 6203.28,3779.53 ; P4_C5.1@6169.14,3793.67 ccw(c6203.28,3827.81) 6203.28,3779.53 ; P4_C5.1@6169.14,3793.67 ccw(c6203.28,3827.81) 6203.28,3779.53
PW_4_C6: P4_C6.1 P_4_C6.1 | length 692.5
  Top Layer w20: P4_C6.1@7025,3779.53 7135.47,3779.53 7200,3715 7200,3520 7180,3500 P_4_C6.1@7140,3500 ; P4_C6.1@7039.14,3765.39 cw(c7073.28,3731.24) 7073.28,3779.53 ; P4_C6.1@7039.14,3765.39 cw(c7073.28,3731.24) 7073.28,3779.53 ; P4_C6.1@7039.14,3765.39 cw(c7073.28,3731.24) 7073.28,3779.53 ; P4_C6.1@7039.14,3793.67 ccw(c7073.28,3827.81) 7073.28,3779.53 ; P4_C6.1@7039.14,3793.67 ccw(c7073.28,3827.81) 7073.28,3779.53 ; P4_C6.1@7039.14,3793.67 ccw(c7073.28,3827.81) 7073.28,3779.53
QH1': U5.9 U14.14 | length 2957.4
  Top Layer w12: U5.9@2515,2721.81 v1(2515,2870) ; v1(4430,2870) 4445,2855 U14.14@4445,2720 ; v1@2507.93,2862.93 cw(c2490.86,2845.86) 2515,2845.86 ; v1@2507.93,2862.93 cw(c2490.86,2845.86) 2515,2845.86 ; v1@2507.93,2862.93 cw(c2490.86,2845.86) 2515,2845.86 ; U5.9@2511.59,2755.74 ccw(c2503.35,2763.98) 2515,2763.98 ; U5.9@2511.59,2755.74 ccw(c2503.35,2763.98) 2515,2763.98 ; U5.9@2511.59,2755.74 ccw(c2503.35,2763.98) 2515,2763.98 ; 2515,2763.98 ccw(c2526.65,2763.98) U5.9@2518.41,2755.74 ; 2515,2763.98 ccw(c2526.65,2763.98) U5.9@2518.41,2755.74 ; 2515,2763.98 ccw(c2526.65,2763.98) U5.9@2518.41,2755.74 ; 2515,2845.86 cw(c2539.14,2845.86) v1@2522.07,2862.93 ; 2515,2845.86 cw(c2539.14,2845.86) v1@2522.07,2862.93 ; 2515,2845.86 cw(c2539.14,2845.86) v1@2522.07,2862.93 ; v1@4422.93,2862.93 cw(c4369.64,2809.64) 4445,2809.64 ; v1@4422.93,2862.93 cw(c4369.64,2809.64) 4445,2809.64 ; v1@4422.93,2862.93 cw(c4369.64,2809.64) 4445,2809.64 ; v1@4431.41,2871.41 cw(c4398.62,2838.62) 4445,2838.62 ; v1@4431.41,2871.41 cw(c4398.62,2838.62) 4445,2838.62 ; v1@4431.41,2871.41 cw(c4398.62,2838.62) 4445,2838.62 ; U14.14@4441.59,2755.74 ccw(c4433.35,2763.98) 4445,2763.98 ; U14.14@4441.59,2755.74 ccw(c4433.35,2763.98) 4445,2763.98 ; U14.14@4441.59,2755.74 ccw(c4433.35,2763.98) 4445,2763.98 ; 4445,2763.98 ccw(c4456.65,2763.98) U14.14@4448.41,2755.74 ; 4445,2763.98 ccw(c4456.65,2763.98) U14.14@4448.41,2755.74 ; 4445,2763.98 ccw(c4456.65,2763.98) U14.14@4448.41,2755.74
  Bottom Layer w12: v1(2515,2870) v1(4430,2870) ; v1@2522.07,2862.93 cw(c2539.14,2845.86) 2539.14,2870 ; v1@2522.07,2862.93 cw(c2539.14,2845.86) 2539.14,2870 ; v1@2522.07,2862.93 cw(c2539.14,2845.86) 2539.14,2870 ; v1@2522.07,2877.07 ccw(c2539.14,2894.14) 2539.14,2870 ; v1@2522.07,2877.07 ccw(c2539.14,2894.14) 2539.14,2870 ; v1@2522.07,2877.07 ccw(c2539.14,2894.14) 2539.14,2870 ; 4405.86,2870 ccw(c4405.86,2894.14) v1@4422.93,2877.07 ; 4405.86,2870 cw(c4405.86,2845.86) v1@4422.93,2862.93 ; 4405.86,2870 ccw(c4405.86,2894.14) v1@4422.93,2877.07 ; 4405.86,2870 cw(c4405.86,2845.86) v1@4422.93,2862.93 ; 4405.86,2870 ccw(c4405.86,2894.14) v1@4422.93,2877.07 ; 4405.86,2870 cw(c4405.86,2845.86) v1@4422.93,2862.93
QH2': U14.9 U15.14 | length 2729.5
  Top Layer w15: v1@4086.92,2896.06 cw(c4072.41,2881.55) 4092.93,2881.55 cw(c4113.45,2881.55) v1@4098.94,2896.06 ; v1(4092.93,2902.07) 4092.93,2762.07 4130,2725 U14.9@4195,2725 ; 4179.27,2725 cw(c4179.27,2706.08) U14.9@4192.65,2719.46 ; v1@6216.92,2851.06 cw(c6173.27,2807.41) 6235,2807.41 ; v1(6222.93,2857.07) 6235,2845 U15.14@6235,2720 ; v1@6227.53,2861.67 cw(c6209.48,2843.62) 6235,2843.62
  Bottom Layer w15: v1(4092.93,2902.07) 6182.93,2902.07 v1@6230,2855 ; v1@4098.94,2896.06 cw(c4113.45,2881.55) 4113.45,2902.07 cw(c4113.45,2922.59) v1@4098.94,2908.08 ; 6204.88,2880.12 cw(c6181.84,2857.07) v1@6214.43,2857.07